# KiCad board battery_charger_devboard_multi.kicad_pcb
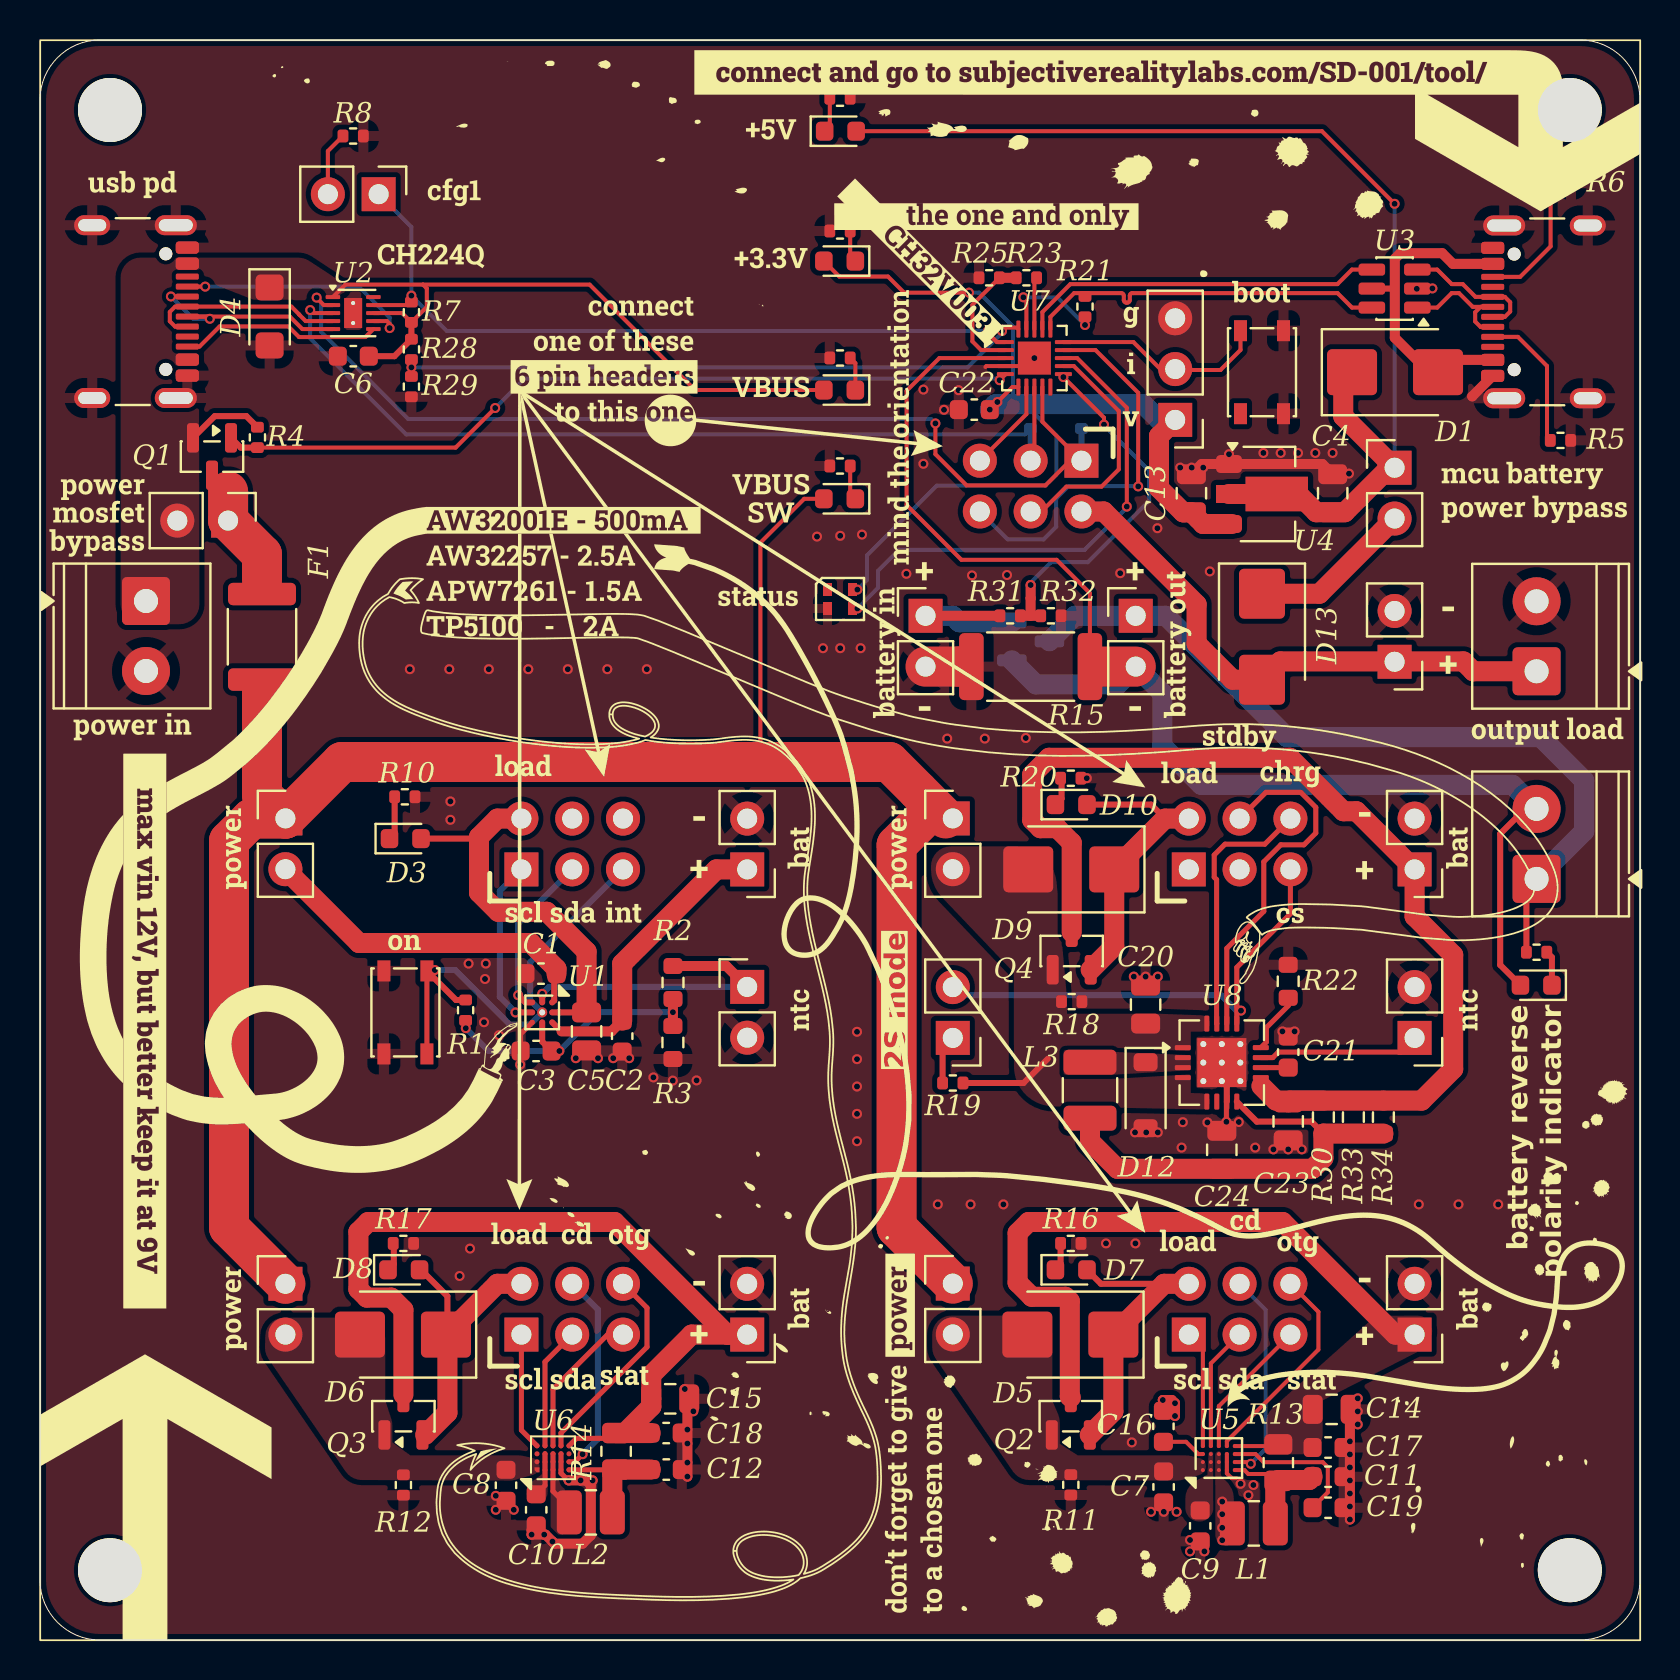
[diagram p0: board, top side]
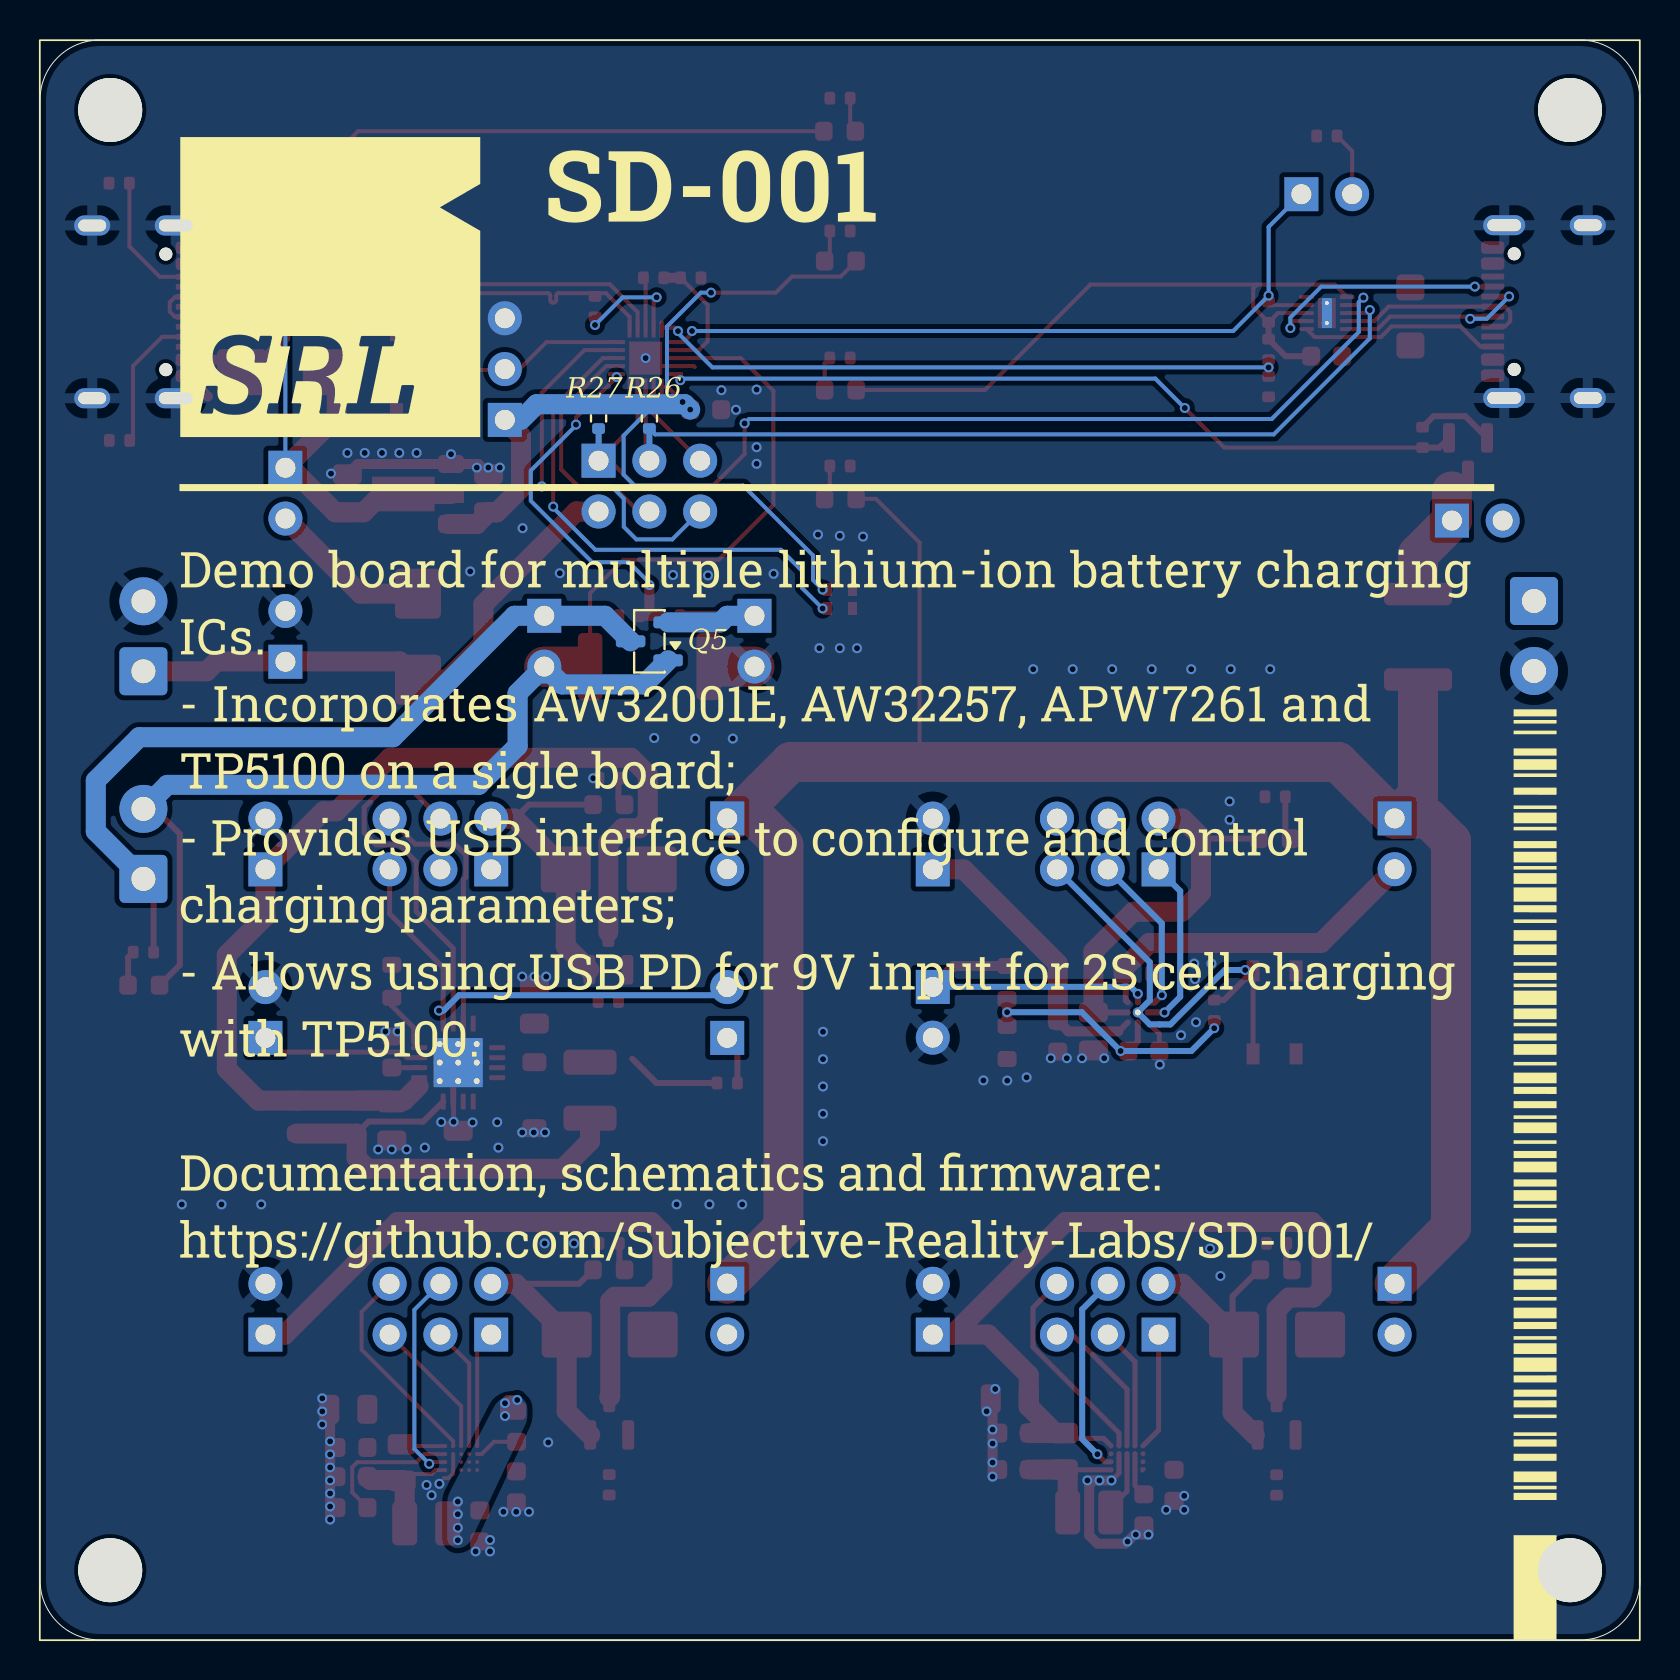
[diagram p1: board, bottom side, seen from below]

Outline 80 x 80 mm; copper layers: Top, Bottom. Coordinates in mm from the lower left corner of the outline.
Outline path: 0,77 arc(0.88,79.12) 3,80 77,80 arc(79.12,79.12) 80,77 80,3 arc(79.12,0.88) 77,0 3,0 arc(0.88,0.88) 0,3 0,77
Stack: Top 0.035mm / dielectric 0.9012mm FR4 er 4.5 / Bottom 0.035mm

## Placement (name value [footprint] x y rotation side)
C1  4.7uF  [C_0603_1608Metric]  25.05 33.32 0 top
C2  4.7uF  [C_0603_1608Metric]  29.11 30.19 90 top
C3  1uF  [C_0603_1608Metric]  24.81 29.45 180 top
C4  10uF  [C_0805_2012Metric]  64.63 57.34 270 top
C5  10uF  [C_0805_2012Metric]  27.33 30.43 270 top
C6  0.1uF  [C_0603_1608Metric]  15.67 64.19 180 top
C7  1uF  [C_0603_1608Metric]  56.18 7.66 90 top
C8  1uF  [C_0603_1608Metric]  23.3 7.74 90 top
C9  4.7uF  [C_0603_1608Metric]  58.01 5.71 90 top
C10  4.7uF  [C_0603_1608Metric]  24.81 6.51 90 top
C11  0.1uF  [C_0603_1608Metric]  64.4 8.16 180 top
C12  0.1uF  [C_0603_1608Metric]  31.31 8.52 180 top
C13  10uF  [C_0805_2012Metric]  57.57 57.34 270 top
C14  22uF  [C_0805_2012Metric]  64.58 11.53 180 top
C15  22uF  [C_0805_2012Metric]  31.51 12.06 180 top
C16  0.1uF  [C_0603_1608Metric]  56.17 10.69 90 top
C17  0.1uF  [C_0603_1608Metric]  64.4 9.62 180 top
C18  0.1uF  [C_0603_1608Metric]  31.31 10.35 180 top
C19  1uF  [C_0603_1608Metric]  64.4 6.61 180 top
C20  10uF  [C_0805_2012Metric]  55.28 31.77 270 top
C21  0.1uF  [C_0603_1608Metric]  62.41 29.4 270 top
C22  1uF  [C_0603_1608Metric]  46.72 61.52 0 top
C23  10uF  [C_0805_2012Metric]  62.41 25.93 90 top
C24  10uF  [C_0805_2012Metric]  59.09 24.51 270 top
D1  SS34  [D_SMB]  67.75 63.39 0 top
D2  LED  [LED_0603_1608Metric]  40.02 75.44 0 top
D3  LED  [LED_0603_1608Metric]  18.26 40.07 0 top
D4  SMF10A  [D_SMF]  11.48 66.18 270 top
D5  SS34  [D_SMB]  51.52 15.27 180 top
D6  SS34  [D_SMB]  18.15 15.27 180 top
D7  LED  [LED_0603_1608Metric]  51.56 18.51 0 top
D8  LED  [LED_0603_1608Metric]  18.19 18.51 0 top
D9  SS34  [D_SMB]  51.56 38.53 180 top
D10  LED  [LED_0603_1608Metric]  51.56 41.77 0 top
D11  LED  [LED_0603_1608Metric]  74.81 32.74 180 top
D12  SS34  [D_SOD-123]  55.28 27.24 270 top
D13  SS34  [D_SMB]  61.1 50.16 270 top
D14  LED_Small  [LED_0603_1608Metric]  39.98 68.95 180 top
D15  LED  [LED_0603_1608Metric]  39.98 62.5 180 top
D16  LED  [LED_0603_1608Metric]  39.98 57.06 180 top
D17  WS2812B  [LED_WS2812B-1615_1.6x1.5mm]  40 52.05 0 top
F1  Polyfuse  [Fuse_1812_4532Metric]  11.1 50.16 90 top
J1  NTC1  [PinHeader_1x02_P2.54mm_Vertical]  35.36 32.66 0 top
J2  Program  [USB_C_Receptacle_GCT_USB4105-xx-A_16P_TopMnt_Horizontal]  76.31 66.41 90 top
J3  USB-C PD  [USB_C_Receptacle_GCT_USB4105-xx-A_16P_TopMnt_Horizontal]  3.69 66.42 270 top
J4  BAT1  [PinHeader_1x02_P2.54mm_Vertical]  35.36 38.53 180 top
J5  CHRG1  [PinHeader_2x03_P2.54mm_Vertical]  24.07 38.53 90 top
J6  MCU  [PinHeader_2x03_P2.54mm_Vertical]  52.07 58.97 270 top
J7  BAT2  [PinHeader_1x02_P2.54mm_Vertical]  68.73 15.27 180 top
J8  BAT2  [PinHeader_1x02_P2.54mm_Vertical]  35.36 15.27 180 top
J9  OUT  [PinHeader_1x02_P2.54mm_Vertical]  67.73 48.91 180 top
J10  BAT  [PinHeader_1x02_P2.54mm_Vertical]  44.28 51.21 0 top
J11  CHRG3  [PinHeader_2x03_P2.54mm_Vertical]  57.44 15.27 90 top
J12  CHRG2  [PinHeader_2x03_P2.54mm_Vertical]  24.07 15.27 90 top
J13  BAT_OUT  [PinHeader_1x02_P2.54mm_Vertical]  54.79 51.21 0 top
J14  CHRG4  [PinHeader_2x03_P2.54mm_Vertical]  57.44 38.53 90 top
J15  NTC2  [PinHeader_1x02_P2.54mm_Vertical]  68.73 30.1 180 top
J16  PGM  [PinHeader_1x03_P2.54mm_Vertical]  56.76 61.01 180 top
J17  BAT4  [PinHeader_1x02_P2.54mm_Vertical]  68.73 38.53 180 top
J18  VIN  [TerminalBlock_Phoenix_PT-1,5-2-3.5-H_1x02_P3.50mm_Horizontal]  5.3 51.95 270 top
J19  OUT  [TerminalBlock_Phoenix_PT-1,5-2-3.5-H_1x02_P3.50mm_Horizontal]  74.83 48.44 90 top
J20  BAT_OUT2  [TerminalBlock_Phoenix_PT-1,5-2-3.5-H_1x02_P3.50mm_Horizontal]  74.83 38.06 90 top
JP1  Jumper_2_Open  [PinHeader_1x02_P2.54mm_Vertical]  12.27 41.08 0 top
JP2  Jumper_2_Open  [PinHeader_1x02_P2.54mm_Vertical]  9.41 55.97 270 top
JP3  Jumper_2_Open  [PinHeader_1x02_P2.54mm_Vertical]  45.64 17.82 0 top
JP4  Jumper_2_Open  [PinHeader_1x02_P2.54mm_Vertical]  12.27 17.81 0 top
JP5  Jumper_2_Open  [PinHeader_1x02_P2.54mm_Vertical]  67.73 58.61 0 top
JP6  Jumper_2_Open  [PinHeader_1x02_P2.54mm_Vertical]  45.64 30.1 180 top
JP7  Jumper_2_Open  [PinHeader_1x02_P2.54mm_Vertical]  45.64 41.08 0 top
JP8  Jumper_2_Open  [PinHeader_1x02_P2.54mm_Vertical]  16.93 72.29 270 top
L1  1uH  [L_1008_2520Metric]  60.69 5.83 180 top
L2  1uH  [L_1008_2520Metric]  27.54 6.38 180 top
L3  4.7uH  [L_1210_3225Metric]  52.5 27.49 270 top
Q1  AO3401A  [SOT-23]  8.6 59.17 270 top
Q2  AO3401A  [SOT-23]  51.54 11.19 90 top
Q3  AO3401A  [SOT-23]  18.17 11.19 90 top
Q4  AO3401A  [SOT-23]  51.59 34.45 90 top
Q5  AO3401A  [SOT-23]  49.53 49.94 0 bottom
R1  10K  [R_0402_1005Metric]  21.28 31.49 90 top
R2  10K  [R_0603_1608Metric]  31.65 32.88 90 top
R3  10K  [R_0603_1608Metric]  31.65 29.88 90 top
R4  10K  [R_0402_1005Metric]  10.87 60.13 90 top
R5  5.1K  [R_0402_1005Metric]  76.02 59.98 180 top
R6  5.1K  [R_0402_1005Metric]  76.04 72.84 180 top
R7  100K  [R_0402_1005Metric]  18.57 66.39 270 top
R8  6.8K  [R_0402_1005Metric]  15.66 75.2 180 top
R9  10K  [R_0402_1005Metric]  40 77.09 0 top
R10  1K  [R_0402_1005Metric]  18.24 42.16 180 top
R11  100K  [R_0402_1005Metric]  51.54 7.76 90 top
R12  100K  [R_0402_1005Metric]  18.17 7.75 90 top
R13  56m  [R_0805_2012Metric]  61.92 8.87 90 top
R14  33m  [R_0805_2012Metric]  28.8 9.43 90 top
R15  0.1  [R_2512_6332Metric]  49.53 48.67 180 top
R16  1K  [R_0402_1005Metric]  51.54 19.83 0 top
R17  1K  [R_0402_1005Metric]  18.17 19.83 0 top
R18  100K  [R_0402_1005Metric]  51.59 31.92 0 top
R19  10K  [R_0402_1005Metric]  45.64 27.85 0 top
R20  1K  [R_0402_1005Metric]  51.54 43.09 0 top
R21  1.5K  [R_0402_1005Metric]  52.25 66.67 270 top
R22  20K  [R_0603_1608Metric]  62.41 32.94 90 top
R23  2K  [R_0402_1005Metric]  49.32 68.11 0 top
R24  10K  [R_0402_1005Metric]  74.83 34.39 180 top
R25  220  [R_0402_1005Metric]  47.46 68.11 0 top
R26  10K  [R_0402_1005Metric]  49.53 61.08 90 bottom
R27  10K  [R_0402_1005Metric]  52.07 61.08 90 bottom
R28  100K  [R_0402_1005Metric]  18.57 64.53 90 top
R29  20K  [R_0402_1005Metric]  18.57 62.67 90 top
R30  0.1  [R_0603_1608Metric]  64.17 26.15 90 top
R31  10K  [R_0402_1005Metric]  48.51 51.21 180 top
R32  6K  [R_0402_1005Metric]  50.54 51.21 180 top
R33  0.1  [R_0603_1608Metric]  65.67 26.15 90 top
R34  0  [R_0603_1608Metric]  67.17 26.15 90 top  (not fitted)
R35  1K  [R_0402_1005Metric]  40 70.45 180 top
R36  10K  [R_0402_1005Metric]  40 64.1 180 top
R37  10K  [R_0402_1005Metric]  40 58.7 180 top
REF**  -  [MountingHole_3.2mm_M3]  3.5 76.5 0 top
REF**#2  -  [MountingHole_3.2mm_M3]  76.49 3.49 0 top
REF**#3  -  [MountingHole_3.2mm_M3]  76.49 76.5 0 top
REF**#4  -  [MountingHole_3.2mm_M3]  3.5 3.49 0 top
SW1  Boot  [SW_SPST_PTS810]  61.1 63.39 90 top
SW2  On  [SW_SPST_PTS810]  18.27 31.38 90 top
U1  AW32001E  [WLCSP1.68mm×1.68mm-9B]  25.11 31.38 270 top
U2  CH224Q  [Texas_DSQ0010A_WSON-10-1EP_2x2mm_P0.4mm_EP0.9x1.5mm_ThermalVias]  15.66 66.35 0 top
U3  USBLC6-2SC6  [SOT-23-6]  67.73 67.57 180 top
U4  HT75xx-1-SOT89  [SOT-89-3]  61.4 57.3 0 top
U5  APW7261  [Anpec_WLCSP-20_1.76x2.03mm_Layout4x5_P0.4mm]  58.94 9.1 90 top
U6  AW32257  [FCQFN_2×2-20L]  25.65 9.11 90 top
U7  CH32V003F4U6  [QFN-20-1EP_3x3mm_P0.4mm_EP1.65x1.65mm]  49.72 64.1 0 top
U8  TP5100  [QFN-16-1EP_4x4mm_P0.5mm_EP2.45x2.45mm_ThermalVias]  59.09 28.87 0 top

## Library data of the parts
C1-C3 C5-C12 C14-C21 C23 C24 = -: Description: Unpolarized capacitor, small symbol; ki_fp_filters: C_*
C4 C13 C22 = -: ki_fp_filters: C_*
D1 D5 D6 D9 D12 D13 = -: ki_fp_filters: TO-???* *_Diode_* *SingleDiode* D_*
D2 D3 D7 D8 D10 D11 D15 D16 = -: Description: Light emitting diode; PROD_ID: LED-; ki_fp_filters: LED* LED_SMD:* LED_THT:*
D4 = -: Datasheet: https://www.vishay.com/doc?85881; Description: 200W unidirectional Transil Transient Voltage Suppressor, 10Vrwm, SMF; LCSC: C5353349; ki_fp_filters: D*SMF*
D14 = -: Description: Light emitting diode, small symbol; Sim.Pins: 1=K 2=A; ki_fp_filters: LED* LED_SMD:* LED_THT:*
D17 = -: Datasheet: https://cdn-shop.adafruit.com/product-files/4684/4684_WS2812B-2020_V1.3_EN.pdf; Description: RGB LED with integrated controller, 2.0 x 2.0 mm, 12 mA; LCSC: XL-1615RGBC-2812B-S; ki_fp_filters: LED*WS2812*-2020_PLCC4*
F1 = -: Description: Resettable fuse, polymeric positive temperature coefficient; LCSC: C6851472; ki_fp_filters: *polyfuse* *PTC*
J1 J4 J7-J10 J13 J15 J17 = -: Description: Generic connector, single row, 01x02, script generated (kicad-library-utils/schlib/autogen/connector/); ki_fp_filters: Connector*:*_1x??_*
J2 J3 = -: Datasheet: https://www.usb.org/sites/default/files/documents/usb_type-c.zip; ki_fp_filters: USB*C*Receptacle*
J5 J6 J11 J12 J14 = -: Description: Generic connector, double row, 02x03, odd/even pin numbering scheme (row 1 odd numbers, row 2 even numbers), script generated (kicad-library-utils/schlib/autogen/connector/); ki_fp_filters: Connector*:*_2x??_*
J16 = -: Description: Generic connector, single row, 01x03, script generated (kicad-library-utils/schlib/autogen/connector/); ki_fp_filters: Connector*:*_1x??_*
J18-J20 = -: Description: Generic screw terminal, single row, 01x02, script generated (kicad-library-utils/schlib/autogen/connector/); ki_fp_filters: TerminalBlock*:*
JP1-JP8 = -: Description: Jumper, 2-pole, open; ki_fp_filters: Jumper* TestPoint*2Pads* TestPoint*Bridge*
L1-L3 = -: Description: Inductor; PROD_ID: NDUC-; ki_fp_filters: Choke_* *Coil* Inductor_* L_*
Q1-Q5 = -: Datasheet: http://www.aosmd.com/pdfs/datasheet/AO3401A.pdf; Description: -4.0A Id, -30V Vds, P-Channel MOSFET, SOT-23; ki_fp_filters: SOT?23*
R1-R12 R16-R25 R28-R37 = -: ki_fp_filters: R_*
R13 = -: LCSC: C172317; ki_fp_filters: R_*
R14 = -: LCSC: C859788; ki_fp_filters: R_*
R15 = -: LCSC: C49164916; ki_fp_filters: R_*
R26 R27 = -: Description: Resistor; ki_fp_filters: R_*
SW1 SW2 = -: Description: Push button switch, generic, two pins
U1 = -: Description: Battery charger IC; LCSC#: C5125890; LCSC: C5125890
U2 = -: Datasheet: https://www.wch.cn/downloads/file/301.html; Description: 100W USB Type-C PD3.0/2.0, BC1.2 Sink Controller, SSOP-10; LCSC: C46061833; ki_fp_filters: SSOP*3.9x4.9mm*P1mm*EP2.1x3.3mm*
U3 = -: Datasheet: https://www.st.com/resource/en/datasheet/usblc6-2.pdf; Description: Very low capacitance ESD protection diode, 2 data-line, SOT-23-6; ki_fp_filters: SOT?23*
U4 = -: Datasheet: https://www.holtek.com/documents/10179/116711/HT75xx-1v250.pdf; ki_fp_filters: SOT?89*
U5 = -: LCSC#: C691404; LCSC: C691404
U6 = -: LCSC#: C5125876; LCSC: C5125876
U7 = -: LCSC: C5299908
U8 = -: LCSC: C379389
